# Altium PCB Calipso V2.0 REV3.0.PcbDoc (part 1 of 5)
Units mm, origin at the board's own origin, x right, y up, seen from the top; angles counter-clockwise.
Board outline 192.5 x 156.5 mm, 2 copper layers (Top Layer, Bottom Layer); 431 components, 334 nets, 1532 pads, 1628 vias.
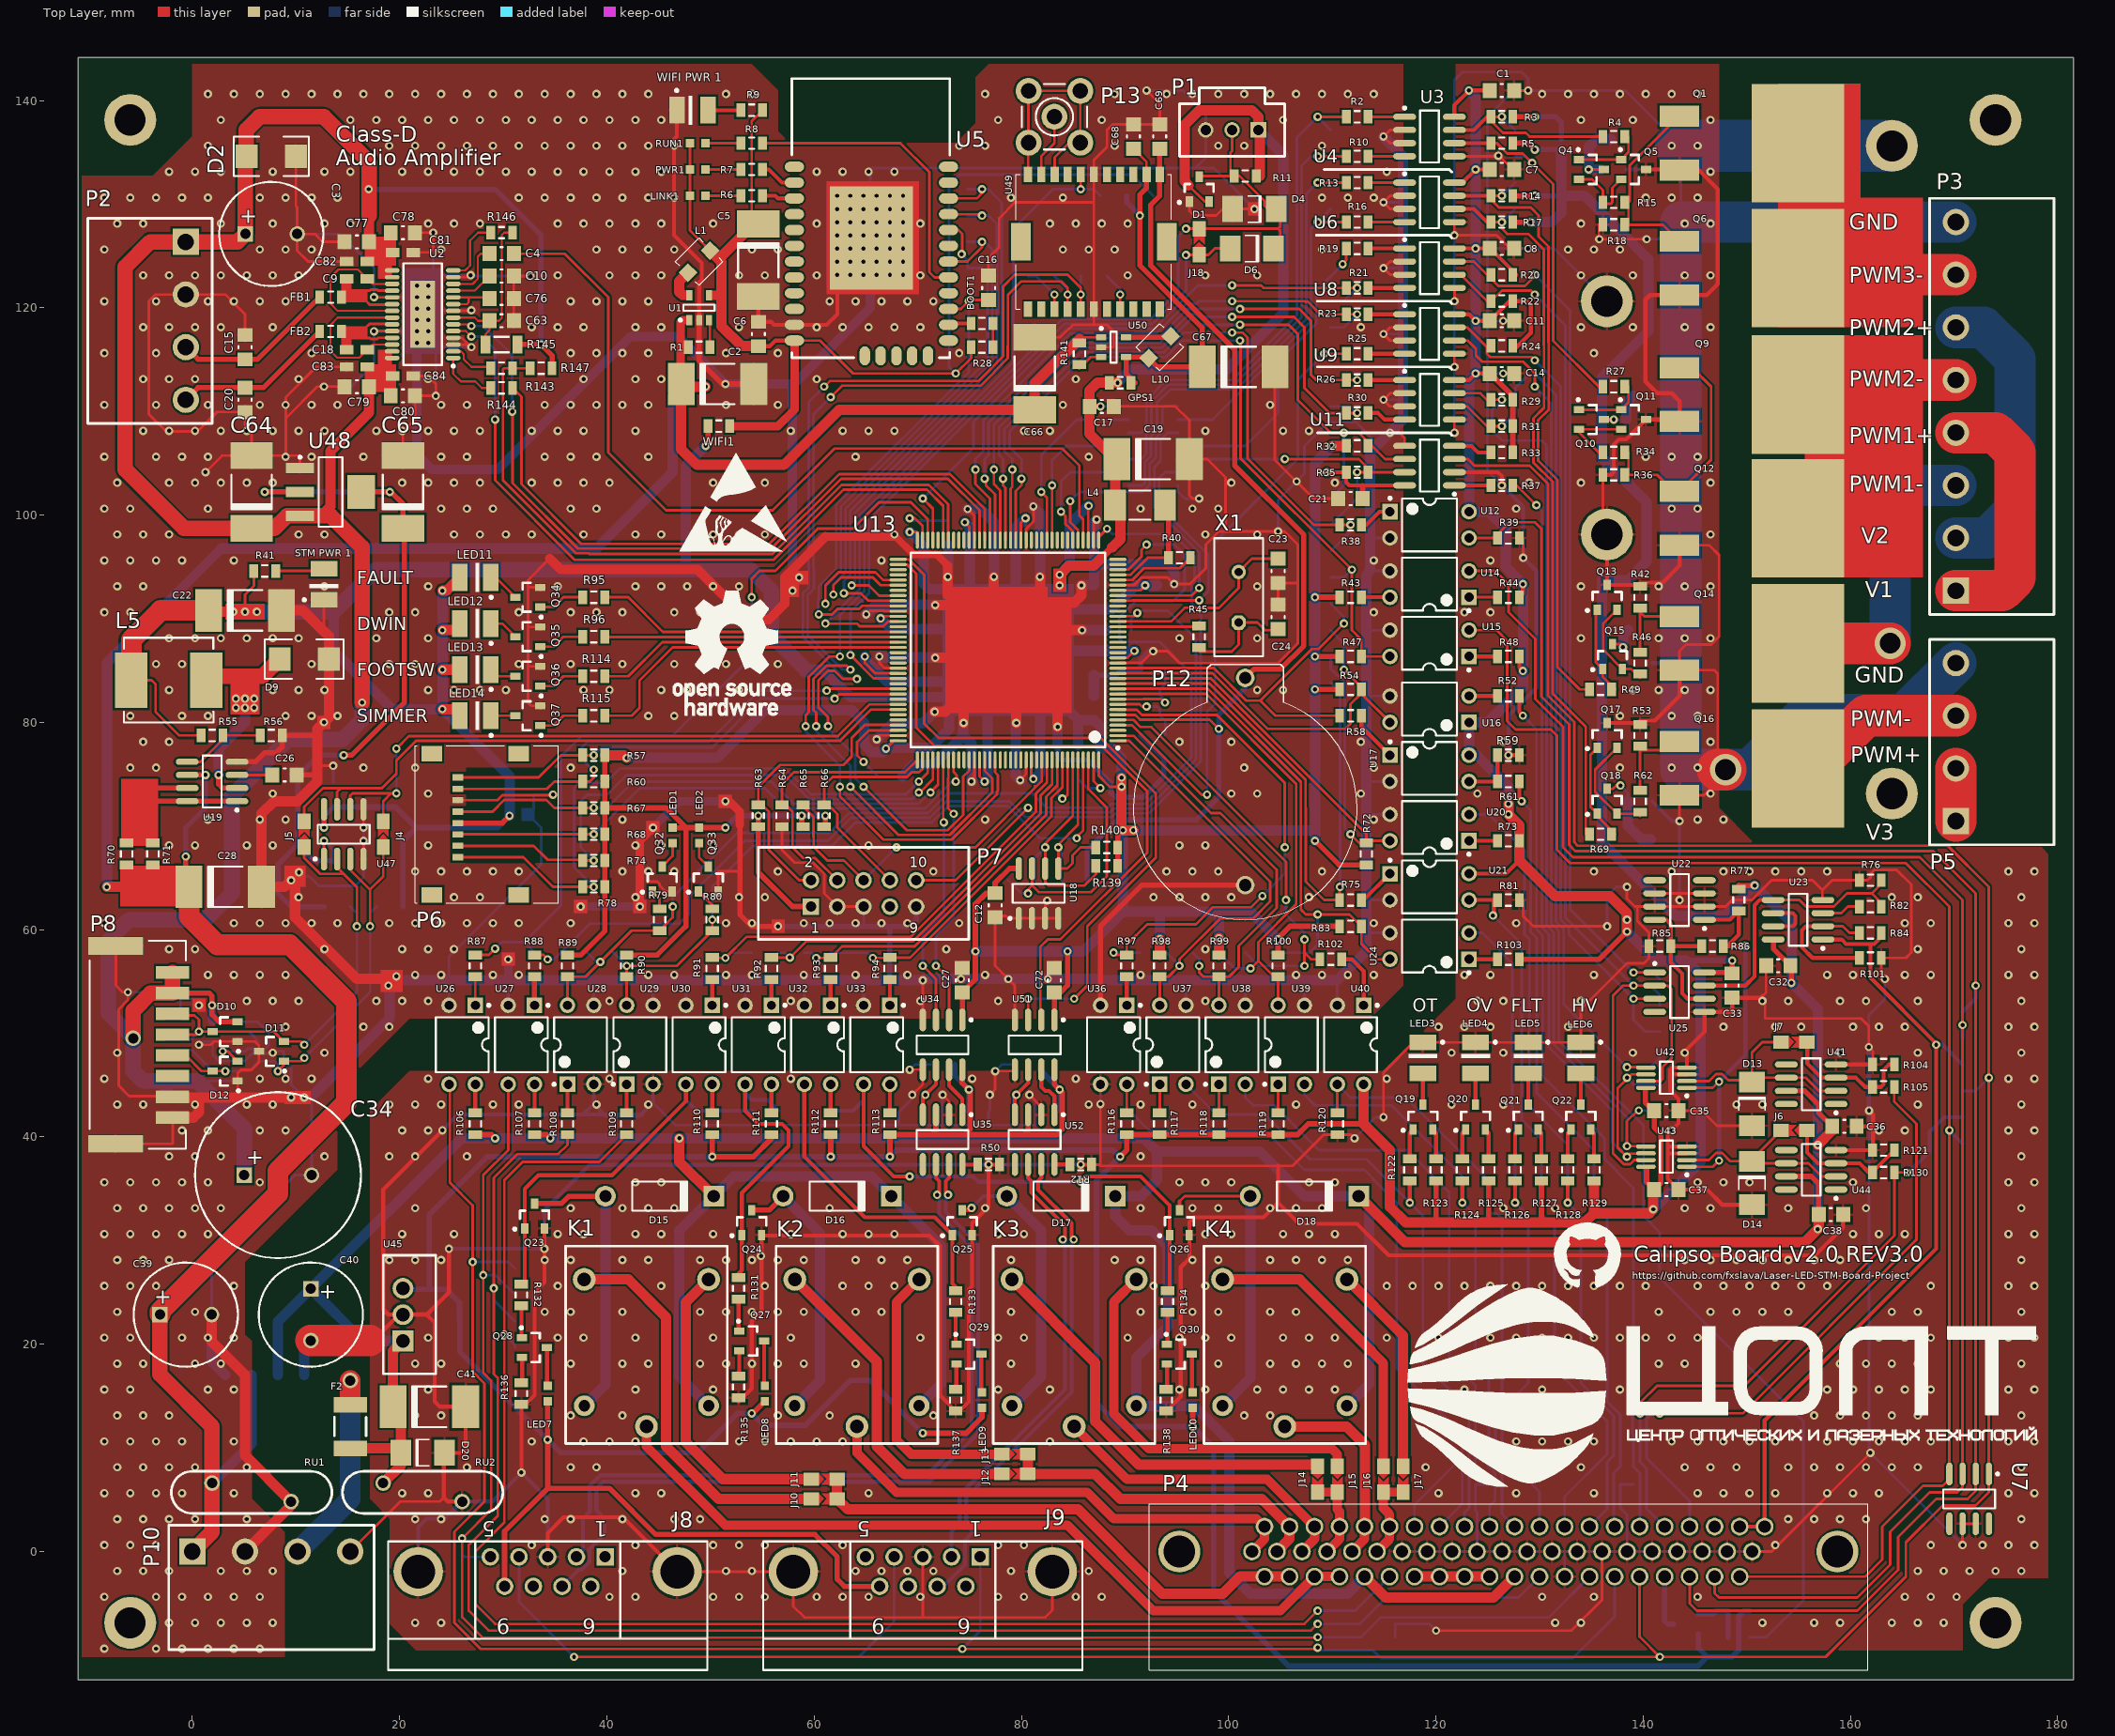
[diagram p0: Top Layer view]
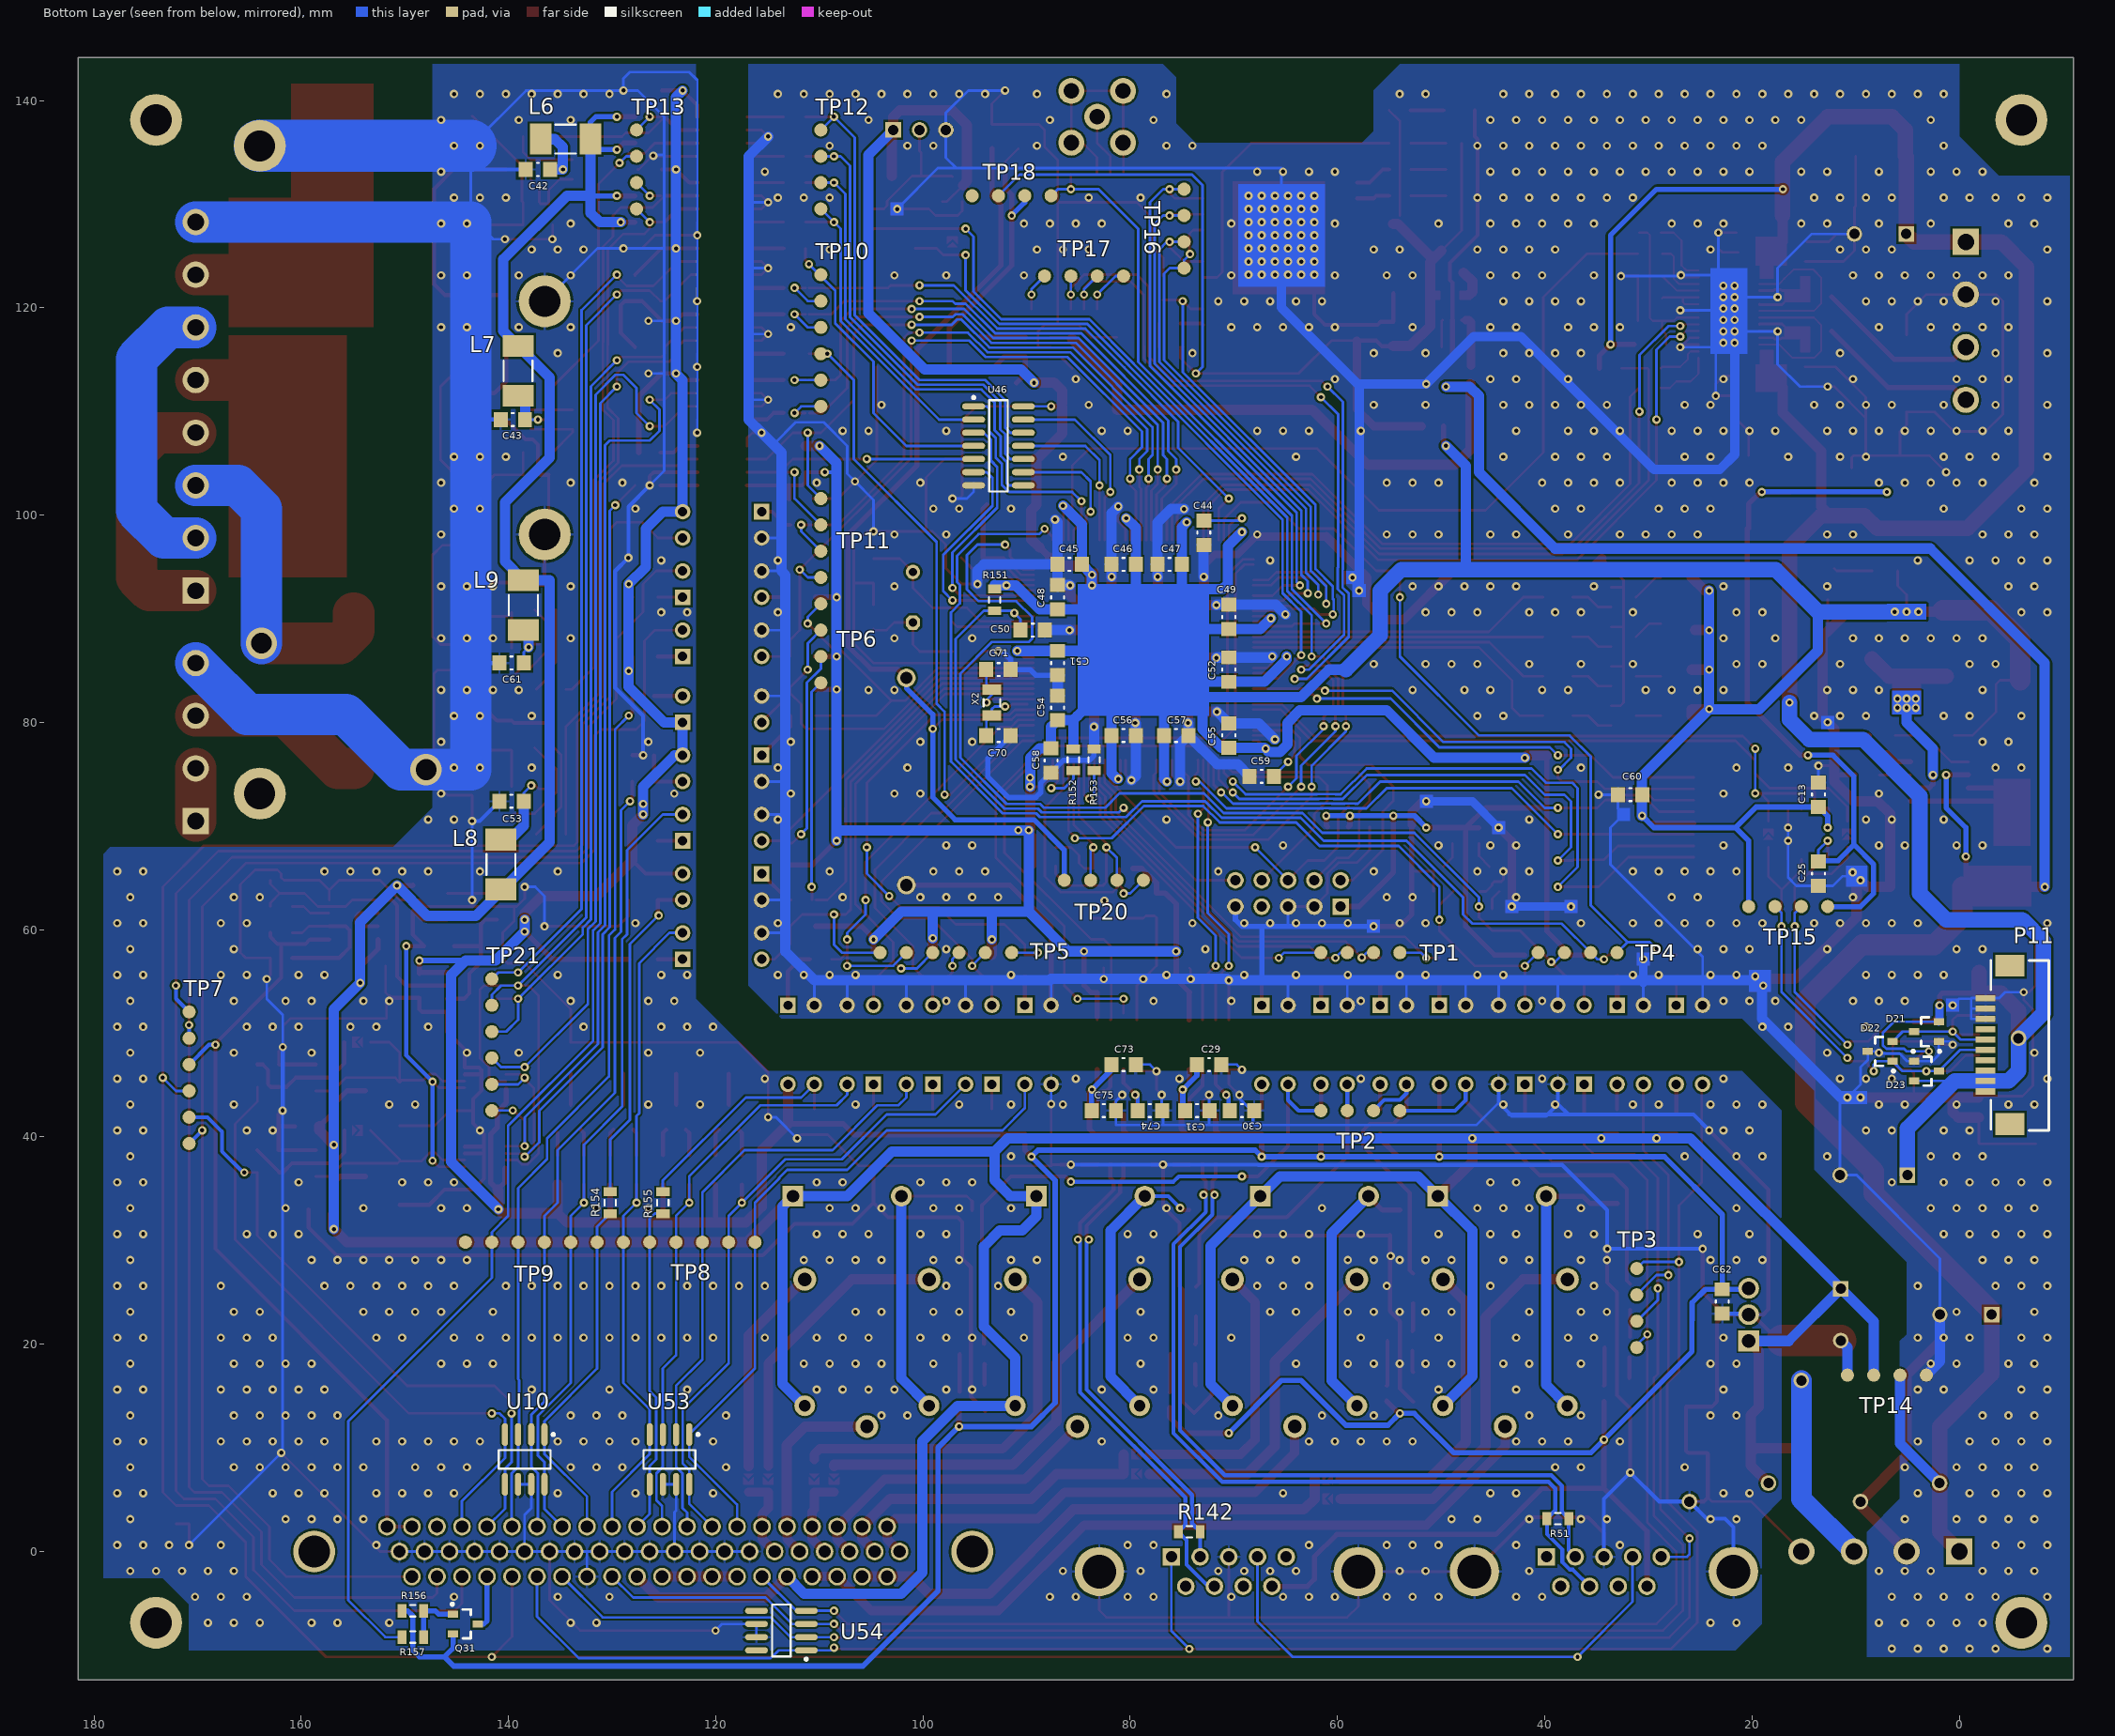
[diagram p1: Bottom Layer view, seen from below]
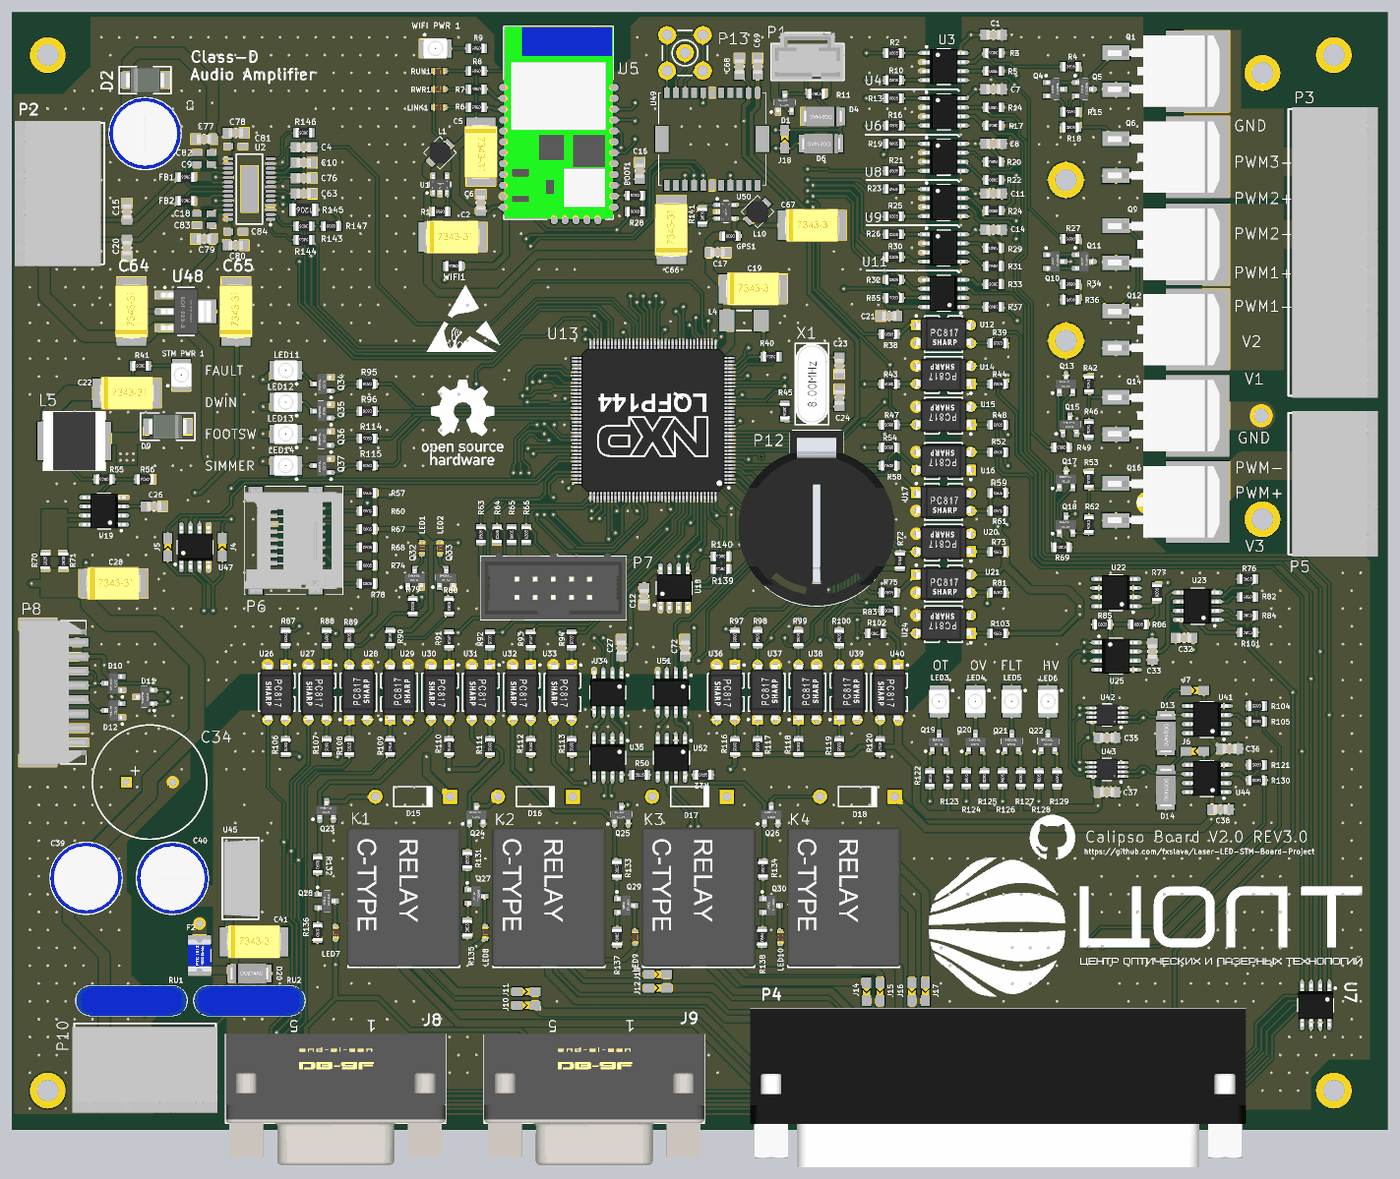
[diagram p6: 3D render of the assembled board from above, using the file's embedded part models]
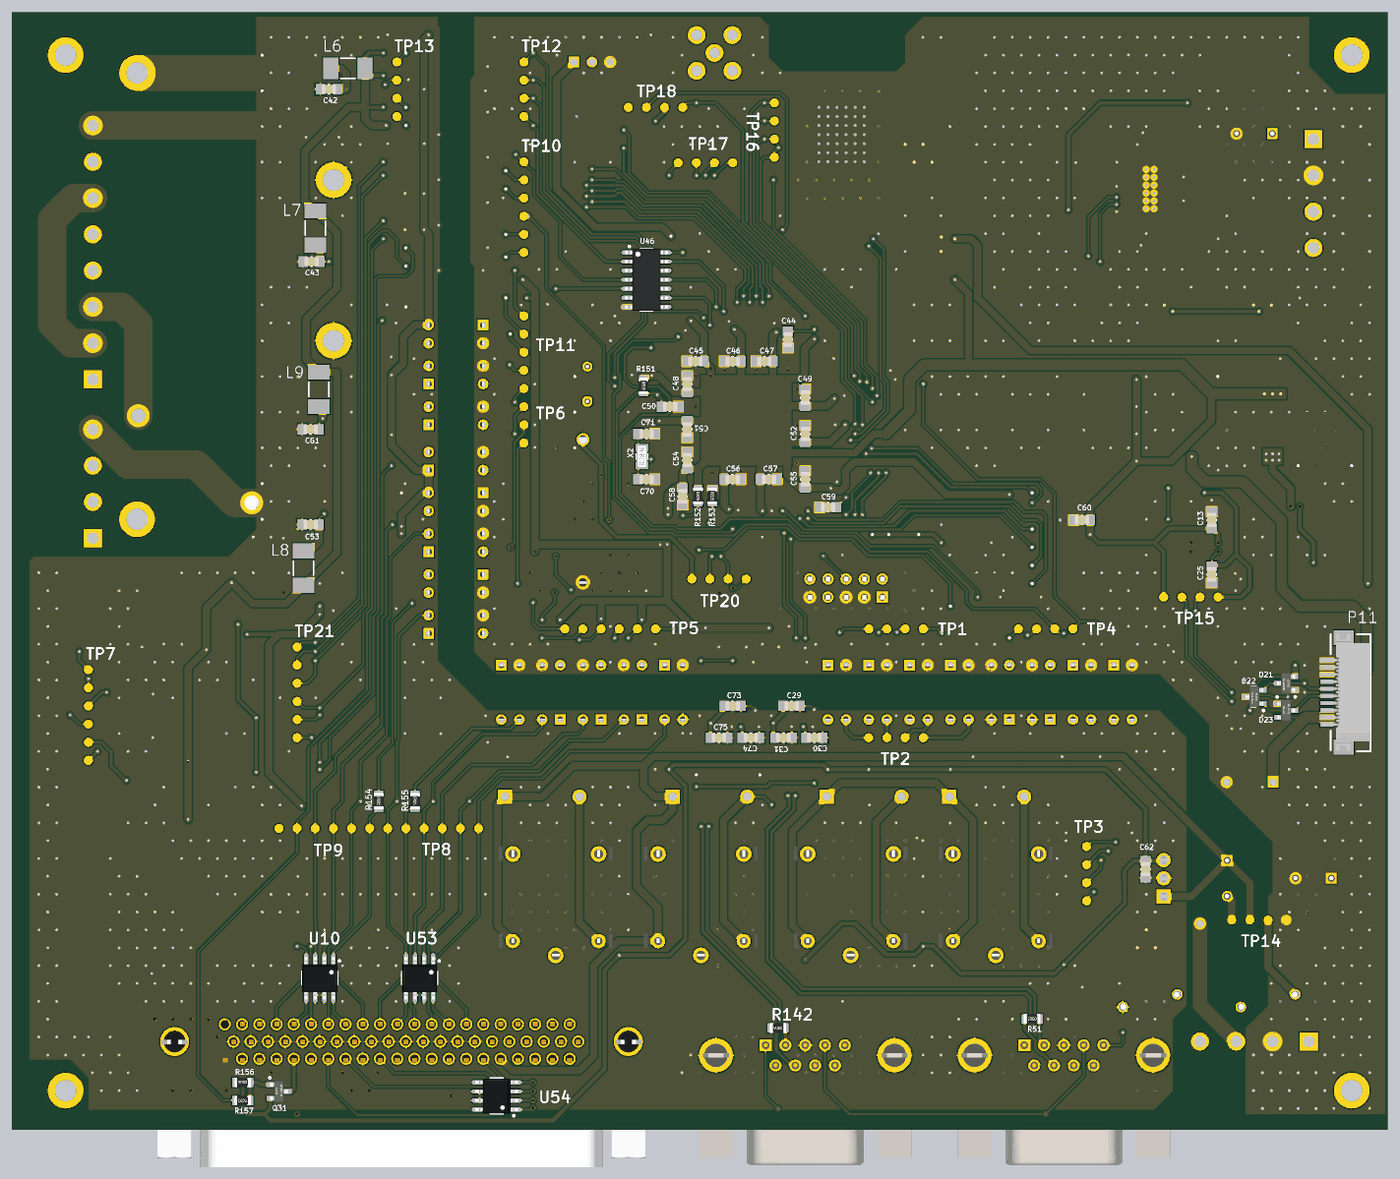
[diagram p7: 3D render of the assembled board from below, using the file's embedded part models]

## Layer stack, top to bottom
Top Solder: solder mask 0.0102, Solder Resist, Dk 3.5
Top Layer: signal copper 0.0356
Dielectric 1: dielectric 0.32, FR-4, Dk 4.8
Bottom Layer: signal copper 0.0356
Bottom Solder: solder mask 0.0102, Solder Resist, Dk 3.5

## Board outline
-11,-12.37 181.5,-12.37 181.5,144.13 -11,144.13

## Design rules (kind name [scope] priority, off if disabled: settings)
Clearance [All] p1: gap=0.2
DiffPairsRouting [All] p1: maxlimit=0.254 minlimit=0.254 mostfreqgap=0.254 toplayer_minwidth=0.254 toplayer_maxwidth=0.381 toplayer_prefwidth=0.381 bottomlayer_minwidth=0.254 bottomlayer_maxwidth=0.381 bottomlayer_prefwidth=0.381 maxuncoupledlength=12.7
HoleSize [All] p1: absolutevalues=TRUE maxlimit=8 minlimit=0.4 maxpercent=80.000 minpercent=20.000
MinimumSolderMaskSliver [All] p1: minsoldermaskwidth=0
PlaneConnect [InNet('GND')] p1: planeconnectstyle=Relief reliefexpansion=0.508 reliefentries=4 reliefconductorwidth=0.254 reliefairgap=0.254
PlaneConnect PlaneConnect_IGND [InPadClass('All Pads')] p2: planeconnectstyle=Relief reliefexpansion=0.508 reliefentries=4 reliefconductorwidth=0.254 reliefairgap=0.254
PolygonConnect PolygonConnect_IGND_Via [All vs IsVia] p1: connectstyle=Direct reliefconductorwidth=0.254 reliefentries=4 polygonreliefangle="90 Angle" airgapwidth=0.254
PolygonConnect PolygonConnect_IGND [InNet('IGND') vs InNet('IGND')] p2: connectstyle=Relief reliefconductorwidth=0.254 reliefentries=4 polygonreliefangle="90 Angle" airgapwidth=0.254
PolygonConnect [InNet('GND') vs InNet('GND')] p3: connectstyle=Relief reliefconductorwidth=0.254 reliefentries=4 polygonreliefangle="90 Angle" airgapwidth=0.254
RoomDefinition Audio [InComponentClass('Audio')] p1: confinementstyle=ConfineIn formatcopy=TRUE lockcomponents=FALSE outline -10.795,96.52 36.195,96.52 36.195,142.875 -10.795,142.875
RoomDefinition MISC [InComponentClass('MISC')] p2: confinementstyle=ConfineIn formatcopy=TRUE lockcomponents=FALSE outline 80.899,-37.66 180.975,-37.66 180.975,27.305 114.935,27.305 114.935,39.116 85.979,39.116 85.979,59.69 20.955,59.69 20.955,38.735 27.94,38.735 27.94,8.89 30.48,8.89 30.48,3.175 18.415,3.175 18.415,-18.955 80.899,-18.955
RoomDefinition Power [InComponentClass('Power')] p3: confinementstyle=ConfineIn formatcopy=TRUE lockcomponents=FALSE outline -10.795,-10.795 18.415,-10.795 18.415,3.175 30.48,3.175 30.48,8.89 27.94,8.89 27.94,38.735 20.955,38.735 20.955,96.52 -10.795,96.52
RoomDefinition LAMP [InComponentClass('LAMP')] p4: confinementstyle=ConfineIn formatcopy=TRUE lockcomponents=FALSE outline 146.05,27.305 146.05,32.385 138.43,32.385 138.43,55.245 132.08,55.245 132.08,84.455 106.045,84.455 106.045,59.69 85.979,59.69 85.979,37.465 88.265,37.465 114.935,37.465 114.935,27.305
RoomDefinition GPSModule [InComponentClass('GPSModule')] p5: confinementstyle=ConfineIn formatcopy=TRUE lockcomponents=FALSE outline 78.74,107.95 84.455,107.95 84.455,111.76 106.045,111.76 106.045,116.84 95.885,116.84 95.885,133.985 94.615,133.985 94.615,142.875 78.74,142.875
RoomDefinition MCU [InComponentClass('MCU')] p6: confinementstyle=ConfineIn formatcopy=TRUE lockcomponents=FALSE outline 114.3,59.69 114.3,86.36 106.045,86.36 106.045,142.875 94.615,142.875 94.615,111.76 78.74,111.76 78.74,106.68 45.085,106.68 45.085,96.52 20.955,96.52 20.955,59.69 37.592,59.69 37.592,53.975 53.975,53.975 53.975,58.42 75.311,58.42 75.311,59.69
RoomDefinition Peltier [InComponentClass('Peltier')] p7: confinementstyle=ConfineIn formatcopy=TRUE lockcomponents=FALSE outline 180.975,67.31 180.975,142.875 106.045,142.875 106.045,127 132.715,127 132.915,62.357 142.494,62.357 142.494,67.31
RoomDefinition LaserInterface [InComponentClass('LaserInterface')] p8: confinementstyle=ConfineIn formatcopy=TRUE lockcomponents=FALSE outline 180.975,67.31 132.715,67.31 132.715,127 106.045,127 106.045,84.455 132.08,84.455 132.08,55.245 138.43,55.245 138.43,27.305 180.975,27.305
RoomDefinition WiFi [InComponentClass('WiFi')] p9: confinementstyle=ConfineIn formatcopy=TRUE lockcomponents=FALSE outline 36.195,106.68 78.74,106.68 78.74,142.875 36.195,142.875
RoutingVias [InNetClass('SignalNets')] p1: holewidth=0.5 width=0.9 viastyle="Through Hole" minholewidth=0.4 minwidth=0.8 maxholewidth=4 maxwidth=6
RoutingVias RoutingVias_PowerNets [InNetClass('AnalogPowerNets')] p2: holewidth=1 width=1.4 viastyle="Through Hole" minholewidth=0.5 minwidth=1 maxholewidth=1 maxwidth=1.4
RoutingVias RoutingVias_AnalogPowerNets [InNetClass('AnalogPowerNets')] p3: holewidth=0.5 width=0.9 viastyle="Through Hole" minholewidth=0.5 minwidth=1 maxholewidth=0.7 maxwidth=1.2
RoutingVias RoutingVias_All [All] p4: holewidth=0.4 width=0.8 viastyle="Through Hole" minholewidth=0.4 minwidth=0.8 maxholewidth=1 maxwidth=1.5
SilkToSolderMaskClearance [IsPad] p1: minsilkscreentomaskgap=0.2 clearancetoexposedcopper=TRUE
SolderMaskExpansion [All] p1: expansion=0.102
Width [InNetClass('SignalNets')] p1: maxlimit=0.254 minlimit=0.2 preferedwidth=0.254
Width Width_AnalogPowerNets [InNetClass('AnalogPowerNet')] p2: maxlimit=1.016 minlimit=0.128 preferedwidth=0.508
Width Width_PowerNets [InNetClass('PowerNet')] p3: maxlimit=2 minlimit=0.254 preferedwidth=1
Width Width_All [All] p4: maxlimit=5 minlimit=0.2 preferedwidth=0.254
25 further rules are at their usual default settings.

## Classes and differential pairs
component class GPSModule: C66 C67 C68 C69 GPS1 L10 P13 R141 TP17 TP18 U49 U50
component class Audio: C3 C4 C9 C10 C15 C18 C20 C63 C64 C65 C76 C77 C78 C79 C80 C81 C82 C83 C84 D2 FB1 FB2 P2 R143 R144 R145 R146 R147 U2 U48
component class Power: C13 C22 C25 C26 C28 C34 C39 C40 C41 C62 D9 D10 D11 D12 D20 D21 D22 D23 F2 J4 J5 L5 P8 P10 P11 R41 R55 R56 R70 R71 RU1 RU2 "STM PWR 1" TP14 TP15 U19 U45 U47
component class LAMP: LED3 LED4 LED5 LED6 Q19 Q20 Q21 Q22 R52 R54 R58 R59 R61 R72 R73 R75 R81 R83 R97 R98 R99 R100 R102 R103 R116 R117 R118 R119 R120 R122 R123 R124 R125 R126 R127 R128 R129 R154 R155 TP5 TP6 TP8 TP9 U16 U17 U20 U21 U24 U36 U37 U38 U39 U40
component class MISC: C27 C29 C30 C31 C72 C73 C74 C75 D15 D16 D17 D18 J8 J9 J10 J11 J12 J13 J14 J15 J16 J17 K1 K2 K3 K4 LED7 LED8 LED9 LED10 P4 Q23 Q24 Q25 Q26 Q27 Q28 Q29 Q30 Q31 R12 R50 R51 R87 R88 R89 R90 R91 R92 R93 R94 R106 R107 R108 R109 R110 R111 R112 R113 R131 R132 R133 R134 R135 R136 R137 R138 R142 R156 R157 TP1 TP2 TP3 TP4 U7 U10 U26 U27 U28 U29 U30 U31 U32 U33 U34 U35 U51 U52 U53 U54
component class WiFi: BOOT1 C2 C5 C6 C16 L1 LINK1 PWR1 R1 R6 R7 R8 R9 R28 RUN1 TP16 U1 U5 WIFI1 "WIFI PWR 1"
component class Peltier: C1 C7 C42 C43 C53 C61 L6 L7 L8 L9 P3 P5 Q1 Q4 Q5 Q6 Q9 Q10 Q11 Q12 Q13 Q14 Q15 Q16 Q17 Q18 R2 R3 R4 R5 R10 R13 R14 R15 R16 R17 R18 R27 R34 R36 R42 R46 R49 R53 R62 R69 TP12 TP13 U3 U4
component class LaserInterface: C8 C11 C14 C21 C32 C33 C35 C36 C37 C38 D13 D14 J6 J7 R19 R20 R21 R22 R23 R24 R25 R26 R29 R30 R31 R32 R33 R35 R37 R38 R39 R43 R44 R47 R48 R76 R77 R82 R84 R85 R86 R101 R104 R105 R121 R130 TP7 TP10 TP11 TP21 U6 U8 U9 U11 U12 U14 U15 U22 U23 U25 U41 U42 U43 U44
net class Undefined: 5V GPS3V3 I5V NetC42_2 NetL1_2 NetL10_2 WIFI3V3
net class AnalogPowerNet: AVCCMCU
net class PowerNet: NetC44_1 NetC59_1 VCC
component class MCU: C12 C17 C19 C23 C24 C44 C45 C46 C47 C48 C49 C50 C51 C52 C54 C55 C56 C57 C58 C59 C60 C70 C71 D1 D4 D6 J18 L4 LED1 LED2 LED11 LED12 LED13 LED14 P1 P6 P7 P12 Q32 Q33 Q34 Q35 Q36 Q37 R11 R40 R45 R57 R60 R63 R64 R65 R66 R67 R68 R74 R78 R79 R80 R95 R96 R114 R115 R139 R140 R151 R152 R153 TP20 U13 U18 U46 X1 X2
net class PeltierForcePowerNet: NetP3_1 NetP3_2 NetP3_3 NetP3_5 NetP3_7 NetP5_1 NetP5_3
differential pair CAN1: +CAN1_P -CAN1_N
differential pair CAN2: +CAN2_P -CAN2_N

## Components (designator, comment, footprint, x,y, rotation, side; value= is the part's Value field where it differs from the comment)
BOOT1 "ChipRes" RES0805 76.2,118.491 r180 top
C1 "CAP0805 0.1uF X7R" CAP0805 126.365,140.97 r0 top
C2 "Cap Pol SMD" CAPC7343 50.673,112.649 r0 top
C3 "Cap Pol 100/47" CAPPR5-10x17_1 7.62,127.127 r0 top
C4 "CAP0805 1uF X7R" CAP0805 29.845,125.222 r180 top
C5 "Cap Pol SMD" CAPC7343 54.61,124.587 r270 top
C6 "CAP0805 0.1uF X7R" CAP0805 54.61,117.475 r90 top
C7 "CAP0805 0.1uF X7R" CAP0805 126.365,133.35 r0 top
C8 "CAP0805 0.1uF X7R" CAP0805 126.365,125.73 r0 top
C9 "ChipCap 0.47u X7R" CAP0603 15.875,122.809 r180 top
C10 "CAP0805 1uF X7R" CAP0805 29.845,123.063 r180 top
C11 "CAP0805 0.1uF X7R" CAP0805 126.365,118.745 r0 top
C12 "CAP0805 0.1uF X7R" CAP0805 77.47,62.357 r90 top
C13 "CAP0805 0.1uF X7R" CAP0805 13.589,73.025 r270 bottom
C14 "CAP0805 0.1uF X7R" CAP0805 126.365,113.665 r0 top
C15 "CAP0805 1000pF NP0" CAP0805 5.08,116.205 r90 top
C16 "CAP0805 0.1uF X7R" CAP0805 76.835,121.92 r90 top
C17 "CAP0805 0.01uF X7R" CAP0805 87.757,110.49 r180 top
C18 "ChipCap 0.47u X7R" CAP0603 15.875,115.951 r180 top
C19 "Cap Pol SMD" CAPC7343 92.71,105.41 r0 top
C20 "CAP0805 1000pF NP0" CAP0805 5.08,111.125 r270 top
C21 "CAP0805 0.1uF X7R" CAP0805 111.76,101.6 r180 top
C22 "Cap Pol SMD" CAPC7343 5.08,90.805 r0 top
C23 "CAP0805 22pF X7R" CAP0805 104.775,94.615 r90 top
C24 "CAP0805 22pF X7R" CAP0805 104.775,90.17 r270 top
C25 "CAP0805 0.1uF X7R" CAP0805 13.589,65.405 r90 bottom
C26 "CAP0805 1000pF NP0" CAP0805 8.89,74.93 r180 top
C27 "CAP0805 0.1uF X7R" CAP0805 74.295,55.118 r270 top
C28 "Cap Pol SMD" CAPC7343 3.175,64.135 r0 top
C29 "CAP0805 0.1uF X7R" CAP0805 72.39,46.99 r0 bottom
C30 "CAP0805 30pF X7R" CAP0805 69.215,42.545 r0 bottom
C31 "CAP0805 0.1uF X7R" CAP0805 73.533,42.545 r0 bottom
C32 "CAP0805 0.1uF X7R" CAP0805 153.035,56.515 r0 top
C33 "CAP0805 0.1uF X7R" CAP0805 148.59,54.61 r270 top
C34 "Cap Pol 200/100" CAPPR7.5-16X25_1 8.255,36.322 r0 top
C35 "CAP0805 1uF X7R" CAP0805 142.24,42.545 r0 top
C36 "CAP0805 0.1uF X7R" CAP0805 159.417,41.021 r0 top
C37 "CAP0805 1uF X7R" CAP0805 142.24,34.925 r0 top
C38 "CAP0805 0.1uF X7R" CAP0805 158.115,32.512 r0 top
C39 "Cap Pol 100/47" CAPPR5-10X17_1 -0.635,22.86 r0 top
C40 "Cap Pol 100/47" CAPPR5-10X17_1 11.43,22.86 r270 top
C41 "Cap Pol SMD" CAPC7343 22.86,13.97 r0 top
C42 "CAP0805 0.1uF X7R" CAP0805 137.16,133.35 r180 bottom
C43 "CAP0805 0.1uF X7R" CAP0805 139.573,109.22 r180 bottom
C44 "CAP0805 0.01uF X7R" CAP0805 72.898,98.298 r270 bottom
C45 "CAP0805 0.01uF X7R" CAP0805 85.852,95.25 r180 bottom
C46 "CAP0805 0.01uF X7R" CAP0805 80.645,95.25 r180 bottom
C47 "CAP0805 0.01uF X7R" CAP0805 76.2,95.25 r180 bottom
C48 "CAP0805 0.01uF X7R" CAP0805 86.995,92.075 r270 bottom
C49 "CAP0805 0.01uF X7R" CAP0805 70.485,90.17 r270 bottom
C50 "CAP0805 0.1uF X7R" CAP0805 89.408,88.9 r180 bottom
C51 "CAP0805 0.01uF X7R" CAP0805 86.995,85.725 r90 bottom
C52 "CAP0805 0.01uF X7R" CAP0805 70.485,85.09 r270 bottom
C53 "CAP0805 0.1uF X7R" CAP0805 139.7,72.39 r180 bottom
C54 "CAP0805 0.01uF X7R" CAP0805 86.995,81.407 r270 bottom
C55 "CAP0805 0.01uF X7R" CAP0805 70.485,78.74 r270 bottom
C56 "CAP0805 0.01uF X7R" CAP0805 80.645,78.74 r0 bottom
C57 "CAP0805 0.01uF X7R" CAP0805 75.565,78.74 r0 bottom
C58 "CAP0805 0.01uF X7R" CAP0805 87.63,76.327 r90 bottom
C59 "CAP0805 0.01uF X7R" CAP0805 67.31,74.803 r0 bottom
C60 "CAP0805 0.1uF X7R" CAP0805 31.75,73.025 r0 bottom
C61 "CAP0805 0.1uF X7R" CAP0805 139.7,85.725 r180 bottom
C62 "CAP0805 0.1uF X7R" CAP0805 22.86,24.13 r90 bottom
C63 "CAP0805 1uF X7R" CAP0805 29.845,118.745 r180 top
C64 "Cap Pol SMD" CAPC7343 5.715,102.235 r90 top
C65 "Cap Pol SMD" CAPC7343 20.32,102.235 r90 top
C66 "Cap Pol SMD" CAPC7343 81.28,113.665 r90 top
C67 "Cap Pol SMD" CAPC7343 100.965,114.3 r0 top
C68 "CAP0805 1uF X7R" CAP0805 90.805,136.525 r270 top
C69 "CAP0805 1uF X7R" CAP0805 93.345,136.525 r270 top
C70 "CAP0805 22pF X7R" CAP0805 92.71,78.74 r0 bottom
C71 "CAP0805 22pF X7R" CAP0805 92.71,85.09 r0 bottom
C72 "CAP0805 0.1uF X7R" CAP0805 83.185,55.118 r270 top
C73 "CAP0805 0.1uF X7R" CAP0805 80.645,46.99 r0 bottom
C74 "CAP0805 30pF X7R" CAP0805 78.105,42.545 r0 bottom